# Altium PCB EMDO601_Patch.PcbDoc (part 2 of 3)
Units mil, origin at the board's own origin, x right, y up, seen from the top; angles counter-clockwise.
Board outline 3149.61 x 7086.61 mil, 4 copper layers (Top Layer, Mid-Layer 1, Mid-Layer 2, Bottom Layer), stack 56.141 mil thick; 242 components, 120 nets, 763 pads, 2087 vias.
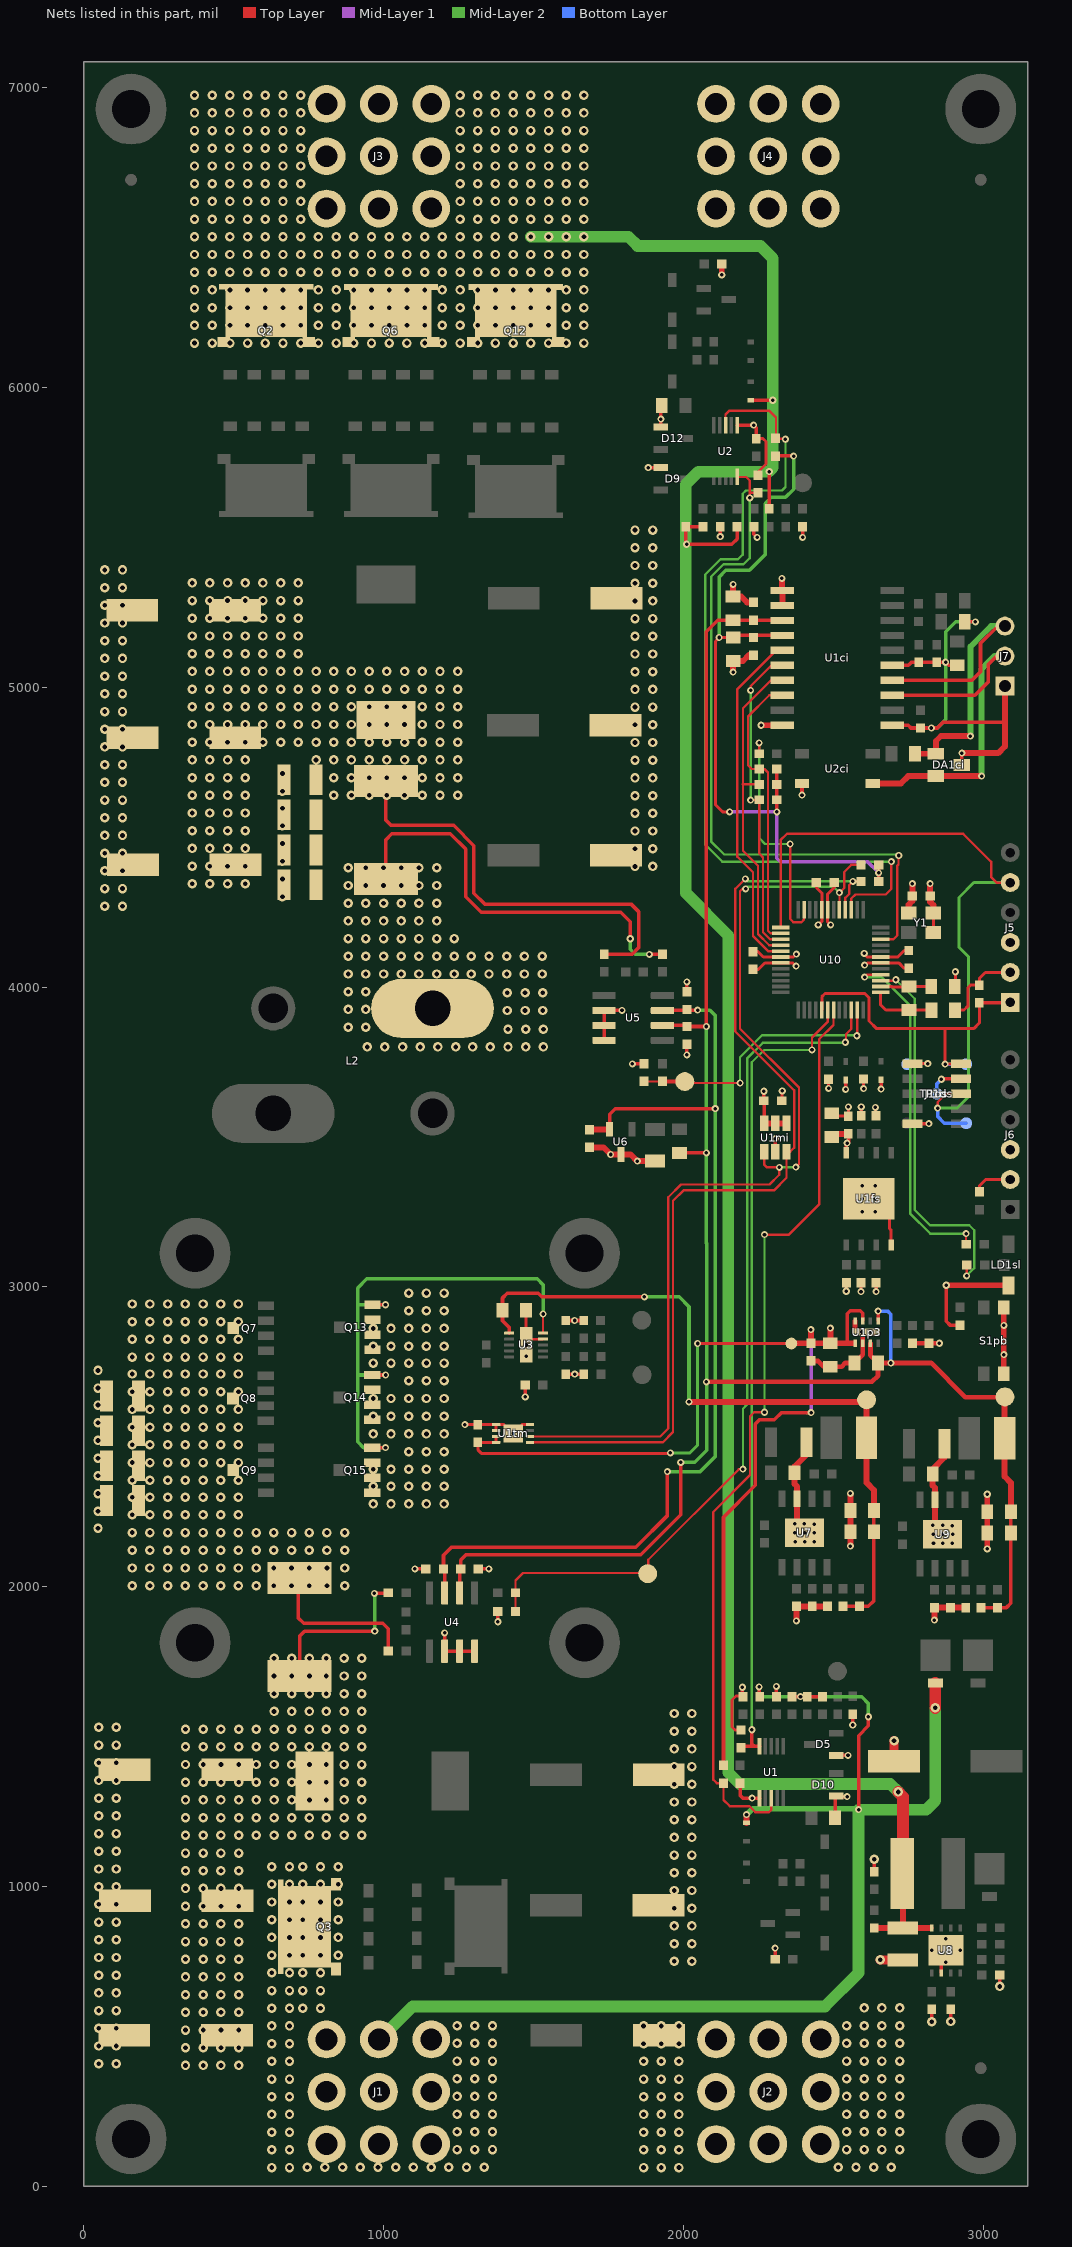
[diagram p4: the nets of this part, all layers, seen from the top]

## Part data (continued)
R56: library part "15.8 kohm ±1% 0.1W", "15.8 kohm ±1% 0.1W", Manufacturer=Yageo, Manufacturer Part Number=RC0603FR-0715K8L, Operating Temperature="-55°C to +155°C", Package / Case=0603, Power (Watts)=0.1, Supplier Part Number=603-RC0603FR-0715K8L, Temperature Coefficient=+-200ppm°C, Tolerance=+-1%, Voltage (V)=75, Category=Resistor, Price=0.1, Resistor (Ohms)=15.8k, Supplier=Mouser, Thickness (mm)=0.45
R57: library part "52.3 kohm ±1% 0.1W", "52.3 kohm ±1% 0.1W", Manufacturer=Yageo, Manufacturer Part Number=RC0603FR-0752K3L, Operating Temperature="-55°C to +155°C", Package / Case=0603, Power (Watts)=0.1, Supplier Part Number=603-RC0603FR-0752K3L, Temperature Coefficient=+-200ppm°C, Tolerance=+-1%, Voltage (V)=75, Category=Resistor, Price=0.1, Resistor (Ohms)=52.3k, Supplier=Mouser, Thickness (mm)=0.45
S1pb: library part "SW Wurth", "Push button SMD 434351045816 Wurth", Manufacturer=Wuerth, Manufacturer Part Number=434351045816
TIM1: "Thermal Interface Products ulTIMiFlux Gap Pad, 5.0 W/mK, 1mm Thickness, 76x127mm, Shore00: 60, Brown", Manufacturer=Wakefield-Vette, Supplier Part Number=567-PL-1-5-76X127-60, Manufacturer Part Number=PL-1-5-76X127-60, Price=20, Supplier=Mouser
TP1ds: library part DEBUG_TP, "SWISSEMBEDDED Debug Testpoint Preci DIP 90168-AS", Manufacturer=None, Manufacturer Part Number="Testpads, do not populate"
TP1p3: "Testpoint", Manufacturer=None, Manufacturer Part Number="Testpads, do not populate"
U1 U2: "Hot Swap Voltage Controllers Automotive 5.5-V to 65-V high side protection controller 10-VSSOP -40 to 125", Manufacturer="Texas Instruments", Supplier Part Number=926-LM5060Q1MMX/NOPB, Manufacturer Part Number=LM5060Q1MMX/NOPB, Price=2.8, Supplier=mouser
U1ci: "CAN Interface IC 3.0kV isoPower CAN-FD Transceiver", Manufacturer="Analog Devices", Supplier Part Number=584-ADM3057EBRWZ, Manufacturer Part Number=ADM3057EBRWZ, Price=13.6, Supplier=mouser
U1fs: "IC FLASH 512MBIT 133MHZ WDFN-8", Manufacturer="Micron Technology Inc", Manufacturer Part Number=MT25QL512ABB1EW9-0SIT
U1mi: "2K bits I2C™ Serial EEPROM with EUI-48™ Node Identity, 1.7 to 5.5 V, 400 kHz, -40 to 85 degC, 6-pin SOT-23 (OT6), Tape and Reel", Manufacturer=Microchip, ComponentLink1Description="Manufacturer URL", ComponentLink1URL=http://www.microchip.com, ComponentLink2Description=Datasheet, ComponentLink2URL=http://ww1.microchip.com/downloads/en/DeviceDoc/22124D.pdf, ComponentLink3Description="Package Specification", ComponentLink3URL=http://www.microchip.com/stellent/groups/techpub_sg/documents/packagingspec/en012702.pdf, ComponentLink4Description="Product URL", ComponentLink4URL=http://www.microchip.com/24AA025E48, Manufacturer Part Number=24AA025E48T-I/OT
U1p3: "DC/DC CONVERTER 0.6-3.6V 1A LMZ10501SILT  TI", Manufacturer="Texas Instruments", ComponentLink1Description=http://www.ti.com/lit/ds/symlink/lmz10501.pdf, ComponentLink1URL=http://www.ti.com/lit/ds/symlink/lmz10501.pdf, Manufacturer Part Number=LMZ10501SILT
U1tm: "IC TEMP SENSOR DGTL I2C 8DFN MCP9808T-E/MC Microchip", Manufacturer="Microchip Technology", ComponentLink1Description=http://www.microchip.com/mymicrochip/filehandler.aspx?ddocname=en556196, ComponentLink1URL=http://www.microchip.com/mymicrochip/filehandler.aspx?ddocname=en556196, Manufacturer Part Number=MCP9808T-E/MC
U2ci: "PANASONIC ELECTRIC WORKS - AQY282S - RELAY, MOSFET, SPST-NO, 0.5A, 60V, SMD", Manufacturer="PANASONIC ELECTRIC WORKS", ComponentLink1Description=http://www.farnell.com/datasheets/1486501.pdf, ComponentLink1URL=http://www.farnell.com/datasheets/1486501.pdf, Manufacturer Part Number=AQY282S
U3: "Gate Drivers 2.6-A, 110-V half bridge gate driver with enable and interlock 10-VSON -40 to 125", Manufacturer="Texas Instruments", Supplier Part Number=595-LM5108DRCT, Manufacturer Part Number=LM5108DRCT, Price=1.37, Supplier=mouser
U4 U5: "Current Sense Amplifiers AEC-Q100, -4 to 80V, bi-directional, ultra-precise current sense amplifier w/ enhanced pwm rejection 8-SOIC -40 to 125", Manufacturer="Texas Instruments", Supplier Part Number=595-INA240A2QDRQ1, Manufacturer Part Number=INA240A2QDRQ1, Price=3.76, Supplier=mouser
U6: "3.3-V, 20-ppm/C max, 100-A, 3-pin SOT-23 series voltage reference 3-SOT-23 -40 to 125", Manufacturer="Texas Instruments", Package="SOT-23-3 Texas Instruments", Supplier Part Number=595-REF3133AIDBZTG4, Availability="In Stock", Check_prices=https://www.snapeda.com/parts/REF3133AIDBZTG4/Texas+Instruments/view-part/?ref=eda, Manufacturer Part Number=REF3133AIDBZTG4, Price=2.8, Supplier=Mouser
U7 U9: "Switching Voltage Regulators 100V, 0.8A SynchronousBuck Converter", Manufacturer=MPS, Manufacturer Part Number=MP4581GN-Z
U8: library part LM5001SDE_NOPB, "3.1-75V Wide Vin, 1A Current Mode Non-Synchronous Switch Mode Regulator", Manufacturer="Texas Instruments", Manufacturer Part Number=LM5001SDE/NOPB
U10: library part dsPIC33CH512MP505-I_PT, "Digital Signal Processors & Controllers - DSP, DSC 16 Bit DSC, Dual Core, 512K Flash, 48K + 16K RAM, 100MHz, 48Pin, CAN", Manufacturer=Microchip, Manufacturer Part Number=dsPIC33CH512MP505-I/PT
Y1: library part DSC6011JI1A-008.0000, "XTAL OSC XO 8.0000MHZ CMOS SMD", Manufacturer="Abracon LLC", Manufacturer Part Number=ASE-8.000MHZ-LC-T, Price=1.4

## Free pads (board coordinates)
  round 236.22 hole 125.98: 0(157.48,157.48) 0(157.48,6929.13) 0(2992.13,157.48) 0(2992.13,6929.13)

## Via types
v1: diameter 31.5, hole 15.75, Top Layer to Bottom Layer, tented both sides, 1868 vias
v2: diameter 23.62, hole 11.81, Top Layer to Bottom Layer, tented both sides, 219 vias

## Nets (pads, with @x,y where several pads share a name; then routed paths per layer and width w, separated by ;. In a path a pad name is that pad's centre, name@x,y a point inside that pad or via, vN(x,y) a via of type N, cw(c..) or ccw(c..) an arc to the next point about the centre after c; other vN are vias at no path point)
3V3: C1fs.2 C1mi.2 C1tm.2 C2fs.2 C2p3.2 C3p3.2 C4ci.2 C5ci.2 C57.2 C58.2 C59.2 C61.2 D15.C D16.C FB2.1 J1ds.2 J5.2 J6.2 LD1sl.1 R1fs.2 R1pb.2 R2fs.2 R3fs.2 R4ci.2 R5ci.2 R6ci.2 R23.1 R24.1 R52.2 R53.2 R54.2 R55.2 TP1ds.2 TP1p3.1 U1ci.4 U1fs.8 U1mi.4 U1mi.5 U1mi.6 U1p3.3 U1p3.5 U1tm.7 U1tm.8 U10.18 U10.32 U10.43 Y1.1 Y1.4 | length 8228.9
  Top Layer w10: U1tm.7@1375.44,2500.99 U1tm.8@1375.44,2481.3 C1tm.2@1314.22,2481.3 1314.22,2456.7 1326.03,2444.89 1955.71,2444.89 v2(1956.69,2445.87) ; v2(2047.24,2811.02) TP1p3.1@2360.24,2811.02 ; v2(2154.53,4584.65) 2130.91,4584.65 2125,4590.55 2107.28,4608.27 2107.28,5153.54 2120.08,5166.34 C4ci.2@2166.09,5166.34 ; C59.2@2232.28,4059.06 2250,4059.06 2271.65,4080.71 U10.43@2324.29,4080.71 2365.16,4080.71 v2(2375.98,4069.88) ; C58.2@2443.9,4346.46 2443.9,4331.69 2461.61,4313.98 U10.32@2461.61,4257.4 2461.61,4219.49 v2(2449.8,4207.68) ; v2(2604.46,4073.03) 2604.46,4072.71 2605.31,4071.85 2614.17,4080.71 U10.18@2657.99,4080.71 2658.27,4080.99 2718.23,4080.99 2736.22,4062.99 C57.2@2751.97,4062.99 ; J1ds.2@2764.41,3744.44 v2(2815.11,3744.44) ; Y1.4@2834.13,4181.81 Y1.1@2834.13,4246.75 ; FB2.1@2906.5,3923.23 2936.02,3923.23 2948.82,3936.02 2948.82,3997.05 2958.66,4006.89 R52.2@2987.2,4006.89 2987.2,4028.54 3007.28,4048.62 J5.2@3082.68,4048.62 ; R53.2@2988.19,3316.93 2988.19,3337.6 3008.07,3357.48 J6.2@3083.66,3357.48
  Top Layer w11.81: R23.1@2133.86,1403.54 2133.86,2231.3 2240.16,2337.6 2240.16,2542.32 2253.94,2556.1 2303.15,2556.1 2327.76,2580.71 v2(2426.18,2580.71) ; C4ci.2@2170.96,5173.62 U1ci.4@2330.22,5173.62 ; v2(2268.7,3652.56) 2268.7,3621.16 C1mi.2@2268.8,3621.06 2269.39,3620.47 U1mi.6@2269.39,3545.28 ; R24.1@2303.15,5764.76 2311.02,5772.64 2366.14,5772.64 v2(2367.62,5771.16) ; v2(2312.01,4584.65) R4ci.2@2312.01,4625 R5ci.2@2312.01,4676.18 R6ci.2@2312.01,4727.36 ; v2(2541.43,3658.94) D15.C@2541.43,3689.97 ; v2(2543.31,2985.24) 2543.31,3009.15 2546.26,3012.11 R1fs.2@2544.29,3014.07 ; U1fs.8@2543.31,3447.15 2543.31,3475.69 2552.16,3484.55 2552.16,3508.17 C2fs.2@2550.2,3510.14 ; 2547.24,2812.01 2547.24,2910.43 2557.09,2920.28 2590.55,2920.28 2598.43,2912.4 U1p3.3@2598.43,2886.81 ; R3fs.2@2593.5,3570.18 v2(2593.5,3600.69) ; v2(2642.72,2984.25) 2642.72,3004.23 2644.68,3006.2 2639.76,3011.12 R2fs.2@2642.72,3014.07 ; R55.2@2651.57,4352.61 R54.2@2651.57,4407.72 ; v2(2659.46,3659.92) D16.C@2659.46,3690.95 ; v2@2875.48,3005.4 2876.97,3006.89 v2(2876.97,3005.4) 2876.97,2884.84 2889.27,2872.54 R1pb.2@2922.24,2872.54
  Top Layer w19.68: U1mi.6@2269.39,3545.28 U1mi.5@2306.79,3545.28 U1mi.4@2344.19,3545.28 ; TP1p3.1@2360.24,2812.01 C3p3.2@2425.2,2812.01 ; v2(2425.2,2857.28) C3p3.2@2425.2,2812.01 ; v2(2490.16,2862.2) C2p3.2@2490.16,2812.01 ; C1fs.2@2495.08,3510.14 C2fs.2@2550.2,3510.14 ; U1p3.5@2568.9,2812.01 2547.24,2812.01 C2p3.2@2490.16,2812.01 ; v2(2823.03,4345.47) C61.2@2823.03,4304.13 2823.03,4284.45 2834.13,4273.35 Y1.1@2834.13,4246.75 ; v2@2875.48,3005.4 v2(2876.97,3005.4) 3083.67,3005.4 LD1sl.1@3084.65,3004.43 ; C3p3.2@2425.2,2812.01 C2p3.2@2490.16,2812.01
  Mid-Layer 1 w11.81: v2(2154.53,4584.65) v2(2312.01,4584.65) 2312.01,4430.12 2323.82,4418.31 2614.17,4418.31 v2(2651.57,4380.91) ; v2(2426.18,2580.71) v2@2426.18,2857.28
  Mid-Layer 2 w10: v2(1956.69,2445.87) 2021.65,2445.87 2047.24,2471.46 v2(2047.24,2811.02)
  Mid-Layer 2 w11.81: v2(2119.09,5166.34) 2119.09,5368.11 2141.73,5390.75 2220.47,5390.75 2272.64,5442.91 2272.64,5613.19 2293.31,5633.86 2340.55,5633.86 2367.62,5660.93 v2(2367.62,5771.16) ; v2(2154.53,4584.65) v2@2154.53,4589.57 ; v2(2312.01,4584.65) v2@2312.99,4583.66 ; 2411.42,2579.72 2412.4,2580.71 v2(2426.18,2580.71) ; v2(2425.2,2857.28) v2@2426.18,2856.3 ; v2(2490.16,2862.2) v2@2491.14,2861.22 ; v2(2651.57,4380.91) v2@2652.56,4379.92
  Bottom Layer w10: TP1ds.2@2746.69,3742.86 2748.26,3744.44 v2(2815.11,3744.44)
  other v2: 2546.26,3479.82
3V3_REF: C35.2 C36.2 C38.2 U4.7 U5.7 U6.2 | length 3381.3
  Top Layer w11.81: C35.2@1199.8,2059.05 1199.8,2104.33 1226.38,2130.91 1840.55,2130.91 1946.85,2237.2 v2(1946.85,2383.86) ; U4.7@1203.35,1979.13 C35.2@1203.35,2055.51 ; C38.2@1687.01,3524.61 C38.2@1687.4,3525 ; U6.2@1753.94,3525 1753.94,3575.79 1772.64,3594.49 v2(2106.3,3594.49) ; U5.7@1929.92,3922.05 C36.2@2007.68,3922.05 ; C36.2@2011.81,3925.2 2012.8,3926.18 2015.75,3923.23 v2(2047.24,3923.23)
  Top Layer w19.68: C38.2@1687.4,3525 U6.2@1753.94,3525
  Mid-Layer 2 w11.81: v2(1946.85,2383.86) 2056.1,2383.86 2106.3,2434.06 v2(2106.3,3594.49) 2106.3,3905.51 2088.58,3923.23 v2(2047.24,3923.23)
3V3A: C60.2 FB2.2 U10.13 | length 218.7
  Top Layer w10: U10.13@2657.99,3982.28 2657.99,3940.43 2675.2,3923.23 C60.2@2752.95,3923.23 FB2.2@2827.76,3923.23
+5V: +5V.1 C1p3.2 C2ci.2 C3ci.2 C29.2 C30.2 C51.2 C53.2 C54.2 FB1.1 L6.2 R49.2 U1ci.3 U1p3.1 U1p3.7 U4.6 U5.6 | length 6625.9
  Top Layer w11.81: U4.6@1253.35,1979.13 C29.2@1253.35,2055.51 ; C29.2@1256.89,2059.05 1256.89,2088.58 1274.61,2106.3 1857.28,2106.3 1991.14,2240.16 v2(1991.14,2414.37) ; U5.6@1929.92,3872.05 C30.2@2008.27,3872.05 ; FB1.1@1987.2,3446.85 v2(2076.77,3446.85) ; C30.2@2011.81,3868.5 v2(2076.77,3868.5) 2076.77,5186.02 2114.86,5224.11 C2ci.2@2165.85,5224.11 ; C2ci.2@2169.78,5223.62 U1ci.3@2330.22,5223.62 ; U1p3.1@2649.61,2886.81 v2(2649.61,2919.29) ; R49.2@2993.11,1930.12 C51.2@3048.23,1930.12 3077.76,1930.12 3092.52,1944.88 C53.2@3092.52,2250
  Top Layer w15.75: v2(2076.77,2683.07) 2628.94,2683.07 2649.61,2703.74 C1p3.2@2649.61,2746.06 ; U1p3.7@2624.02,2812.01 2624.02,2771.65 C1p3.2@2649.61,2746.06 ; +5V.1@3071.85,2631.89 2940.94,2631.89 2826.77,2746.06 v2(2691.93,2746.06) C1p3.2@2649.61,2746.06
  Top Layer w19.68: +5V.1@3071.85,2631.89 L6.2@3071.85,2495.08 3071.85,2367.13 3092.52,2346.46 C53.2@3092.52,2250
  Mid-Layer 2 w11.81: v2(1991.14,2414.37) 2037.4,2414.37 2077.76,2454.72 v2@2077.76,2683.07 ; v2(2076.77,2683.07) v2@2077.76,2683.07 ; 2076.77,3145.67 v2(2076.77,3446.85) v2(2076.77,3868.5) ; 2077.76,3144.69 v2@2077.76,2683.07 ; v2@2080.71,2682.09 2079.72,2683.07 v2@2077.76,2683.07
  Bottom Layer w11.81: v2(2649.61,2919.29) 2681.1,2919.29 2691.93,2908.46 v2(2691.93,2746.06)
+10V: +10V.1 C25.2 C40.2 C42.2 C43.2 L4.2 R43.2 U3.1 | length 2469.8
  Top Layer w11.81: U3.1@1418.9,2845.47 1418.9,2864.57 1396.65,2886.81 C25.2@1396.65,2922.24 1396.65,2962.6 1412.4,2978.35 1515.75,2978.35 1527.56,2966.54 v2(1870.08,2966.54) ; R43.2@2532.48,1934.06 C40.2@2587.6,1934.06 2617.13,1934.06 2635.83,1952.76 C43.2@2635.83,2183.07 C42.2@2635.83,2253.94
  Top Layer w19.68: v2(2018.7,2616.14) 2610.24,2616.14 2611.22,2617.13 L4.2@2611.22,2497.05 2611.22,2346.46 2635.83,2321.85 C42.2@2635.83,2253.94
  Mid-Layer 2 w11.81: v2(1870.08,2966.54) 1986.22,2966.54 2018.7,2934.06 v2(2018.7,2616.14)
+BAT1: D1.A D13.A J1.1 Q3.D R2.2 R3.2 R4.2 R34.1 | length 4261.4
  Top Layer w11.81: R4.2@2252.95,1636.81 v2(2252.95,1665.35) ; R3.2@2362.2,1632.87 v2(2390.75,1632.87) R2.2@2413.39,1632.87 R34.1@2463.58,1632.87 ; v2(2584.65,1255.91) 2584.65,1502.95 2617.13,1535.43 v2(2617.13,1565.94)
  Top Layer w19.68: D1.A@2210.63,1212.01 v2(2210.63,1239.17) ; R4.2@2252.95,1636.81 2255.91,1633.86 R4.2@2254.92,1632.87
  Top Layer w39.37: v1(2840.55,1595.47) D13.A@2840.55,1679.13
  Mid-Layer 2 w11.81: v2(2252.95,1665.35) 2252.95,1641.73 2261.81,1632.87 v2(2390.75,1632.87) 2594.49,1632.87 2617.13,1610.24 v2(2617.13,1565.94) v2@2618.11,1564.96
  Mid-Layer 2 w19.68: v2(2210.63,1239.17) 2230.31,1258.86 2591.54,1258.86 2588.58,1255.91 v2(2584.65,1255.91)
  Mid-Layer 2 w39.37: J1.1@958.66,460.63 1097.44,599.41 2472.44,599.41 2584.65,711.61 v2(2584.65,1255.91) ; v2@2588.58,1255.91 2810.04,1255.91 2840.55,1286.42 v1(2840.55,1595.47)
  other v1: 626.97,62.01 686.02,62.01 745.08,62.99 804.13,62.99 863.19,62.99 922.24,62.99 981.3,62.99 1040.35,62.99 1099.41,62.99 1158.46,62.99 1217.52,62.99 1276.57,62.99 1335.63,62.99 626.97,121.06 686.02,121.06 1245.08,122.05 1304.13,122.05 1363.19,122.05 626.97,180.12 686.02,180.12 1245.08,181.1 1304.13,181.1 1363.19,181.1 626.97,239.17 686.02,239.17 1245.08,240.16 1304.13,240.16 1363.19,240.16 626.97,298.23 686.02,298.23 1245.08,299.21 1304.13,299.21 1363.19,299.21 626.97,357.28 686.02,357.28 1245.08,358.27 1304.13,358.27 1363.19,358.27 626.97,416.34 686.02,416.34 1245.08,417.32 1304.13,417.32 1363.19,417.32 626.97,475.39 686.02,475.39 1245.08,476.38 1304.13,476.38 1363.19,476.38 626.97,534.45 686.02,534.45 1245.08,535.43 1304.13,535.43 1363.19,535.43 626.97,593.5 686.02,593.5 730.31,593.5 789.37,593.5 626.97,652.56 686.02,652.56 730.31,652.56 789.37,652.56 626.97,711.61 686.02,711.61 730.31,711.61 789.37,711.61 626.97,770.67 686.02,770.67 730.31,770.67 789.37,770.67 848.43,770.67 626.97,829.72 686.02,829.72 730.31,829.72 789.37,829.72 848.43,829.72 626.97,888.78 686.02,888.78 730.31,888.78 789.37,888.78 848.43,888.78 626.97,947.83 686.02,947.83 730.31,947.83 789.37,947.83 848.43,947.83 626.97,1006.89 686.02,1006.89 730.31,1006.89 789.37,1006.89 848.43,1006.89 626.97,1065.94 686.02,1065.94 730.31,1065.94 789.37,1065.94 848.43,1065.94
+BAT2: C44.2 D7.A J3.1 L5.1 Q2.D Q6.D Q12.D R8.2 R9.2 R10.2 R35.1 R40.2 U8.4 | length 7969.2
  Top Layer w11.81: v2@2008.12,5477.36 2008.12,5536.17 R8.2@2007.87,5536.42 R10.2@2065.95,5536.42 ; v2(2010.83,5477.36) 2161.42,5477.36 2179.13,5495.08 R9.2@2179.13,5536.42 ; D7.A@2224.41,5957.28 2297.83,5957.28 v2(2298.23,5957.68) ; R35.1@2286.42,5595.47 v2(2286.42,5719.49)
  Top Layer w19.68: R40.2@2636.81,861.22 C44.2@2732.28,861.22 ; L5.1@2730.94,1031.5 2732.28,1030.16 C44.2@2732.28,861.22 ; U8.4@2823.82,861.22 C44.2@2732.28,861.22
  Top Layer w39.37: v1(2716.54,1314.96) 2732.28,1299.21 2732.28,1063.62 L5.1@2722.44,1073.46 ; L5.1@2728.35,1034.09 L5.1@2730.94,1031.5
  Mid-Layer 2 w11.81: v1@1558.07,6439.96 v1@1561.02,6442.91 ; v2(2286.42,5719.49) v2@2287.4,5718.5
  Mid-Layer 2 w39.37: v1(1491.14,6502.95) v1(1550.2,6502.95) v1(1609.25,6502.95) v1(1668.31,6502.95) 1816.93,6502.95 1847.44,6472.44 2256.89,6472.44 2298.23,6431.1 v2(2298.23,5957.68) 2298.23,5733.27 2284.45,5719.49 2050.2,5719.49 2007.87,5677.17 2007.87,4313.98 2149.71,4172.14 2149.71,3698.5 2149.61,3698.39 2149.61,1379.92 2187.99,1341.54 2689.96,1341.54 v1(2716.54,1314.96)
  other v1: 369.09,6148.62 428.15,6148.62 487.2,6148.62 546.26,6148.62 605.31,6148.62 664.37,6148.62 723.43,6148.62 782.48,6148.62 841.54,6148.62 900.59,6148.62 959.65,6148.62 1018.7,6148.62 1077.76,6148.62 1136.81,6148.62 1195.87,6148.62 1254.92,6148.62 1313.98,6148.62 1373.03,6148.62 1432.09,6148.62 1491.14,6148.62 1550.2,6148.62 1609.25,6148.62 1668.31,6148.62 369.09,6207.68 428.15,6207.68 487.2,6207.68 546.26,6207.68 605.31,6207.68 664.37,6207.68 723.43,6207.68 782.48,6207.68 841.54,6207.68 900.59,6207.68 959.65,6207.68 1018.7,6207.68 1077.76,6207.68 1136.81,6207.68 1195.87,6207.68 1254.92,6207.68 1313.98,6207.68 1373.03,6207.68 1432.09,6207.68 1491.14,6207.68 1550.2,6207.68 1609.25,6207.68 1668.31,6207.68 369.09,6266.73 428.15,6266.73 487.2,6266.73 546.26,6266.73 605.31,6266.73 664.37,6266.73 723.43,6266.73 782.48,6266.73 841.54,6266.73 900.59,6266.73 959.65,6266.73 1018.7,6266.73 1077.76,6266.73 1136.81,6266.73 1195.87,6266.73 1254.92,6266.73 1313.98,6266.73 1373.03,6266.73 1432.09,6266.73 1491.14,6266.73 1550.2,6266.73 1609.25,6266.73 1668.31,6266.73 369.09,6325.79 428.15,6325.79 487.2,6325.79 546.26,6325.79 605.31,6325.79 664.37,6325.79 723.43,6325.79 782.48,6325.79 841.54,6325.79 900.59,6325.79 959.65,6325.79 1018.7,6325.79 1077.76,6325.79 1136.81,6325.79 1195.87,6325.79 1254.92,6325.79 1313.98,6325.79 1373.03,6325.79 1432.09,6325.79 1491.14,6325.79 1550.2,6325.79 1609.25,6325.79 1668.31,6325.79 369.09,6384.84 428.15,6384.84 487.2,6384.84 546.26,6384.84 605.31,6384.84 664.37,6384.84 723.43,6384.84 782.48,6384.84 841.54,6384.84 900.59,6384.84 959.65,6384.84 1018.7,6384.84 1077.76,6384.84 1136.81,6384.84 1195.87,6384.84 1254.92,6384.84 1313.98,6384.84 1373.03,6384.84 1432.09,6384.84 1491.14,6384.84 1550.2,6384.84 1609.25,6384.84 1668.31,6384.84 369.09,6443.9 428.15,6443.9 487.2,6443.9 546.26,6443.9 605.31,6443.9 664.37,6443.9 723.43,6443.9 782.48,6443.9 841.54,6443.9 900.59,6443.9 959.65,6443.9 1018.7,6443.9 1077.76,6443.9 1136.81,6443.9 1195.87,6443.9 1254.92,6443.9 1313.98,6443.9 1373.03,6443.9 1432.09,6443.9 1491.14,6443.9 1550.2,6443.9 1609.25,6443.9 1668.31,6443.9 369.09,6502.95 428.15,6502.95 487.2,6502.95 546.26,6502.95 605.31,6502.95 664.37,6502.95 723.43,6502.95 782.48,6502.95 841.54,6502.95 900.59,6502.95 959.65,6502.95 1018.7,6502.95 1077.76,6502.95 1136.81,6502.95 1195.87,6502.95 1254.92,6502.95 1313.98,6502.95 1373.03,6502.95 1432.09,6502.95 369.09,6562.01 428.15,6562.01 487.2,6562.01 546.26,6562.01 605.31,6562.01 664.37,6562.01 723.43,6562.01 1254.92,6562.01 1313.98,6562.01 1373.03,6562.01 1432.09,6562.01 1491.14,6562.01 1550.2,6562.01 1609.25,6562.01 1668.31,6562.01 369.09,6621.06 428.15,6621.06 487.2,6621.06 546.26,6621.06 605.31,6621.06 664.37,6621.06 723.43,6621.06 1254.92,6621.06 1313.98,6621.06 1373.03,6621.06 1432.09,6621.06 1491.14,6621.06 1550.2,6621.06 1609.25,6621.06 1668.31,6621.06 369.09,6680.12 428.15,6680.12 487.2,6680.12 546.26,6680.12 605.31,6680.12 664.37,6680.12 723.43,6680.12 1254.92,6680.12 1313.98,6680.12 1373.03,6680.12 1432.09,6680.12 1491.14,6680.12 1550.2,6680.12 1609.25,6680.12 1668.31,6680.12 369.09,6739.17 428.15,6739.17 487.2,6739.17 546.26,6739.17 605.31,6739.17 664.37,6739.17 723.43,6739.17 1254.92,6739.17 1313.98,6739.17 1373.03,6739.17 1432.09,6739.17 1491.14,6739.17 1550.2,6739.17 1609.25,6739.17 1668.31,6739.17 369.09,6798.23 428.15,6798.23 487.2,6798.23 546.26,6798.23 605.31,6798.23 664.37,6798.23 723.43,6798.23 1254.92,6798.23 1313.98,6798.23 1373.03,6798.23 1432.09,6798.23 1491.14,6798.23 1550.2,6798.23 1609.25,6798.23 1668.31,6798.23 369.09,6857.28 428.15,6857.28 487.2,6857.28 546.26,6857.28 605.31,6857.28 664.37,6857.28 723.43,6857.28 1254.92,6857.28 1313.98,6857.28 1373.03,6857.28 1432.09,6857.28 1491.14,6857.28 1550.2,6857.28 1609.25,6857.28 1668.31,6857.28 369.09,6916.34 428.15,6916.34 487.2,6916.34 546.26,6916.34 605.31,6916.34 664.37,6916.34 723.43,6916.34 1254.92,6916.34 1313.98,6916.34 1373.03,6916.34 1432.09,6916.34 1491.14,6916.34 1550.2,6916.34 1609.25,6916.34 1668.31,6916.34 369.09,6975.39 428.15,6975.39 487.2,6975.39 546.26,6975.39 605.31,6975.39 664.37,6975.39 723.43,6975.39 1254.92,6975.39 1313.98,6975.39 1373.03,6975.39 1432.09,6975.39 1491.14,6975.39 1550.2,6975.39 1609.25,6975.39 1668.31,6975.39
AGND: C60.1 FB3.2 U10.14 | length 170.5
  Top Layer w10: U10.14@2657.99,4001.97 2696.39,4001.97 2698.44,3999.92 2750.91,3999.92 C60.1@2752.95,4001.97 FB3.2@2826.77,4001.97
BAT1_EN: R25.2 U1.5 U10.6 | length 2722
  Top Layer w7.87: v2(2429.13,3790.35) 2429.13,3831.69 2481.3,3883.86 U10.6@2481.3,3923.7
  Top Layer w11.81: R25.2@2191.93,1462.6 2196.85,1467.52 2237.2,1467.52 ; v2(2228.35,1522.64) 2228.35,1476.38 2237.2,1467.52 ; U1.5@2253.94,1467.52 2237.2,1467.52
  Mid-Layer 2 w7.87: v2(2228.35,1522.64) 2228.45,1522.74 2228.45,3716.29 ; 2228.35,3716.4 2228.35,3749.02 2269.69,3790.35 v2(2429.13,3790.35)
BAT1_Status: R23.2 U1.8 U10.7 | length 3116.4
  Top Layer w7.87: v2(2270.67,2581.69) 2236.22,2581.69 2222.44,2567.91 2222.44,2372.05 2099.41,2249.02 2099.41,1356.3 2111.22,1344.49 R23.2@2133.86,1344.49 2133.86,1288.39 2154.53,1267.72 2219.49,1267.72 2240.16,1247.05 2285.43,1247.05 2293.31,1254.92 U1.8@2293.31,1294.29 ; v2(2270.67,3174.21) 2352.36,3174.21 2452.76,3274.61 2452.76,3825.79 2500.98,3874.02 U10.7@2500.98,3923.7
  Mid-Layer 2 w7.87: v2(2270.67,2581.69) v2(2270.67,3174.21)
BAT2_EN: R27.2 U2.5 U10.22 | length 2346.6
  Top Layer w7.87: U2.5@2180.12,5701.77 2209.65,5701.77 2221.46,5689.96 2221.46,5651.57 ; v2(2221.46,5631.89) 2221.46,5651.57 ; R27.2@2249.02,5648.62 2224.41,5648.62 2221.46,5651.57 ; U10.22@2657.99,4159.45 2700.79,4159.45 2714.06,4172.72 2714.06,4405.14 2717.65,4408.74 2717.65,4438.12 v2(2718.5,4438.98)
  Mid-Layer 2 w7.87: v2(2221.46,5631.89) 2221.46,5431.1 2200.79,5410.43 2133.86,5410.43 2092.52,5369.09 2092.52,4486.22 2136.6,4442.14 2715.34,4442.14 v2(2718.5,4438.98)
BAT2_Status: R24.2 U2.8 U10.27 | length 2809.7
  Top Layer w7.87: U2.8@2140.75,5875 2140.75,5910.43 2152.56,5922.24 2287.4,5922.24 2309.06,5900.59 2309.06,5828.74 2339.57,5828.74 v2(2340.55,5827.76) ; U10.27@2560.04,4257.4 2560.04,4295.28 2573.82,4309.06 2675.2,4309.06 2694.03,4327.89 v2(2694.03,4418.52)
  Mid-Layer 2 w7.87: v2(2340.55,5827.76) 2340.55,5668.31 2328.74,5656.5 2208.66,5656.5 2197.83,5645.67 2197.83,5442.91 2182.09,5427.17 2124.02,5427.17 2072.83,5375.98 2072.83,4475.39 2129.71,4418.52 v2(2694.03,4418.52)
BG: Q13.G Q14.G Q15.G U3.10 | length 1733.2
  Top Layer w7.87: U3.10@1531.89,2845.47 v2(1531.89,2909.45)
  Top Layer w11.81: Q15.G@962.2,2463.58 v2(1006.24,2463.58) ; Q14.G@962.32,2705.94 v2(1006.36,2705.94) ; Q13.G@962.65,2940.26 v2(1006.24,2940.26)
  Top Layer w19.68: Q14.G@962.13,2706.14 Q14.G@962.32,2705.94
  Mid-Layer 2 w11.81: v2(1006.24,2463.58) 933.07,2463.58 913.39,2483.27 913.39,2706.69 ; v2(1006.24,2940.26) 914.07,2940.26 913.39,2940.94 ; v2(1006.36,2705.94) 914.13,2705.94 913.39,2706.69 ; v2(1531.89,2909.45) 1531.89,3007.48 1512.8,3026.57 943.9,3026.57 913.39,2996.06 913.39,2940.94 ; 913.39,2706.69 913.39,2940.94
CAN_RX: U1ci.5 U10.41 | length 1162.5
  Top Layer w7.87: U10.41@2324.29,4120.08 2282.48,4120.08 2232.28,4170.28 2232.28,4382.87 2180.12,4435.04 2180.12,4994.09 2310.24,5124.21 2329.63,5124.21 U1ci.5@2330.22,5123.62
CAN_SILENT: R4ci.1 U1ci.6 U10.39 | length 1059.3
  Top Layer w7.87: v2(2224.41,4624.02) 2251.97,4624.02 R4ci.1@2252.95,4625 2252.95,4445.5 2265.75,4432.7 2265.75,4182.7 2289,4159.45 U10.39@2324.29,4159.45 ; v2(2224.41,4990.16) 2224.41,5003.94 2294.09,5073.62 U1ci.6@2330.22,5073.62
  Mid-Layer 2 w7.87: v2(2224.41,4624.02) v2(2224.41,4990.16)
CAN_STBY: R6ci.1 U1ci.8 U10.38 | length 956.5